# Altium PCB PCB1.PcbDoc
Units mm, origin at the board's own origin, x right, y up, seen from the top; angles counter-clockwise.
Board outline 97 x 67.1 mm, 2 copper layers (Top Layer, Bottom Layer); 8 components, 12 nets, 69 pads, 1 vias.
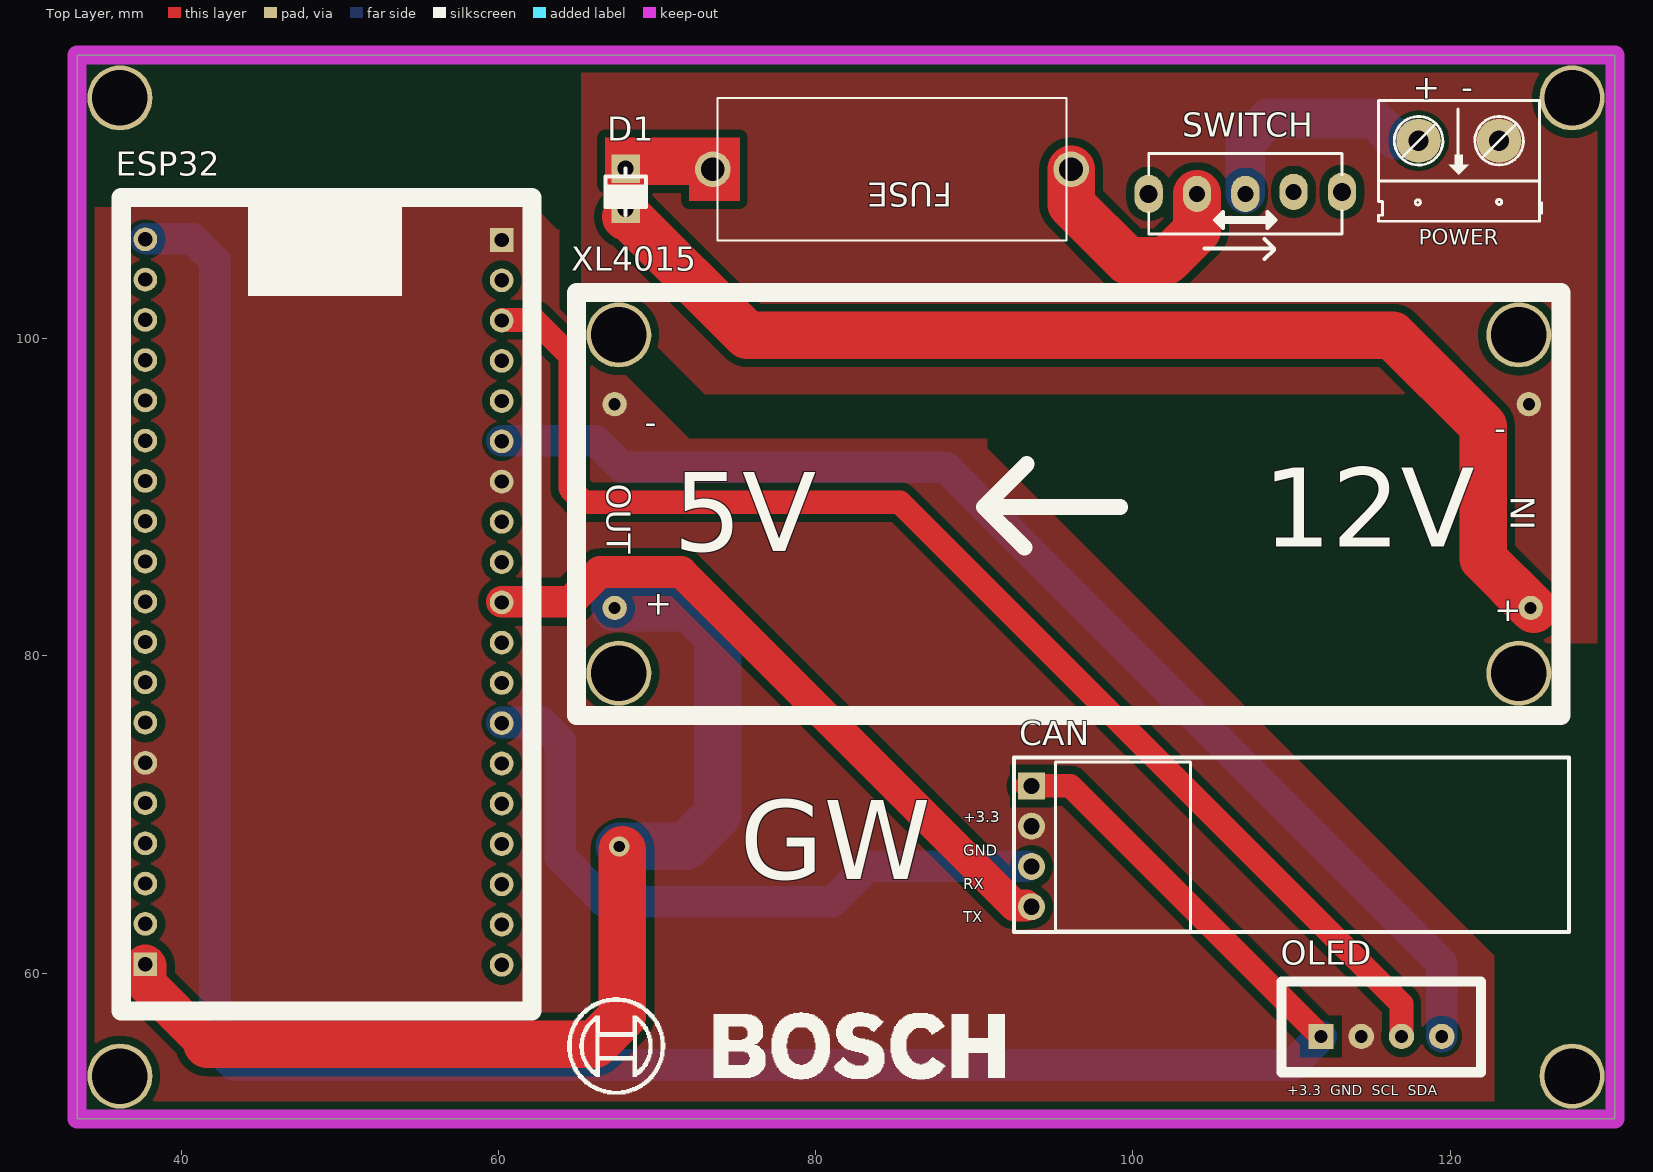
[diagram p0: Top Layer view]
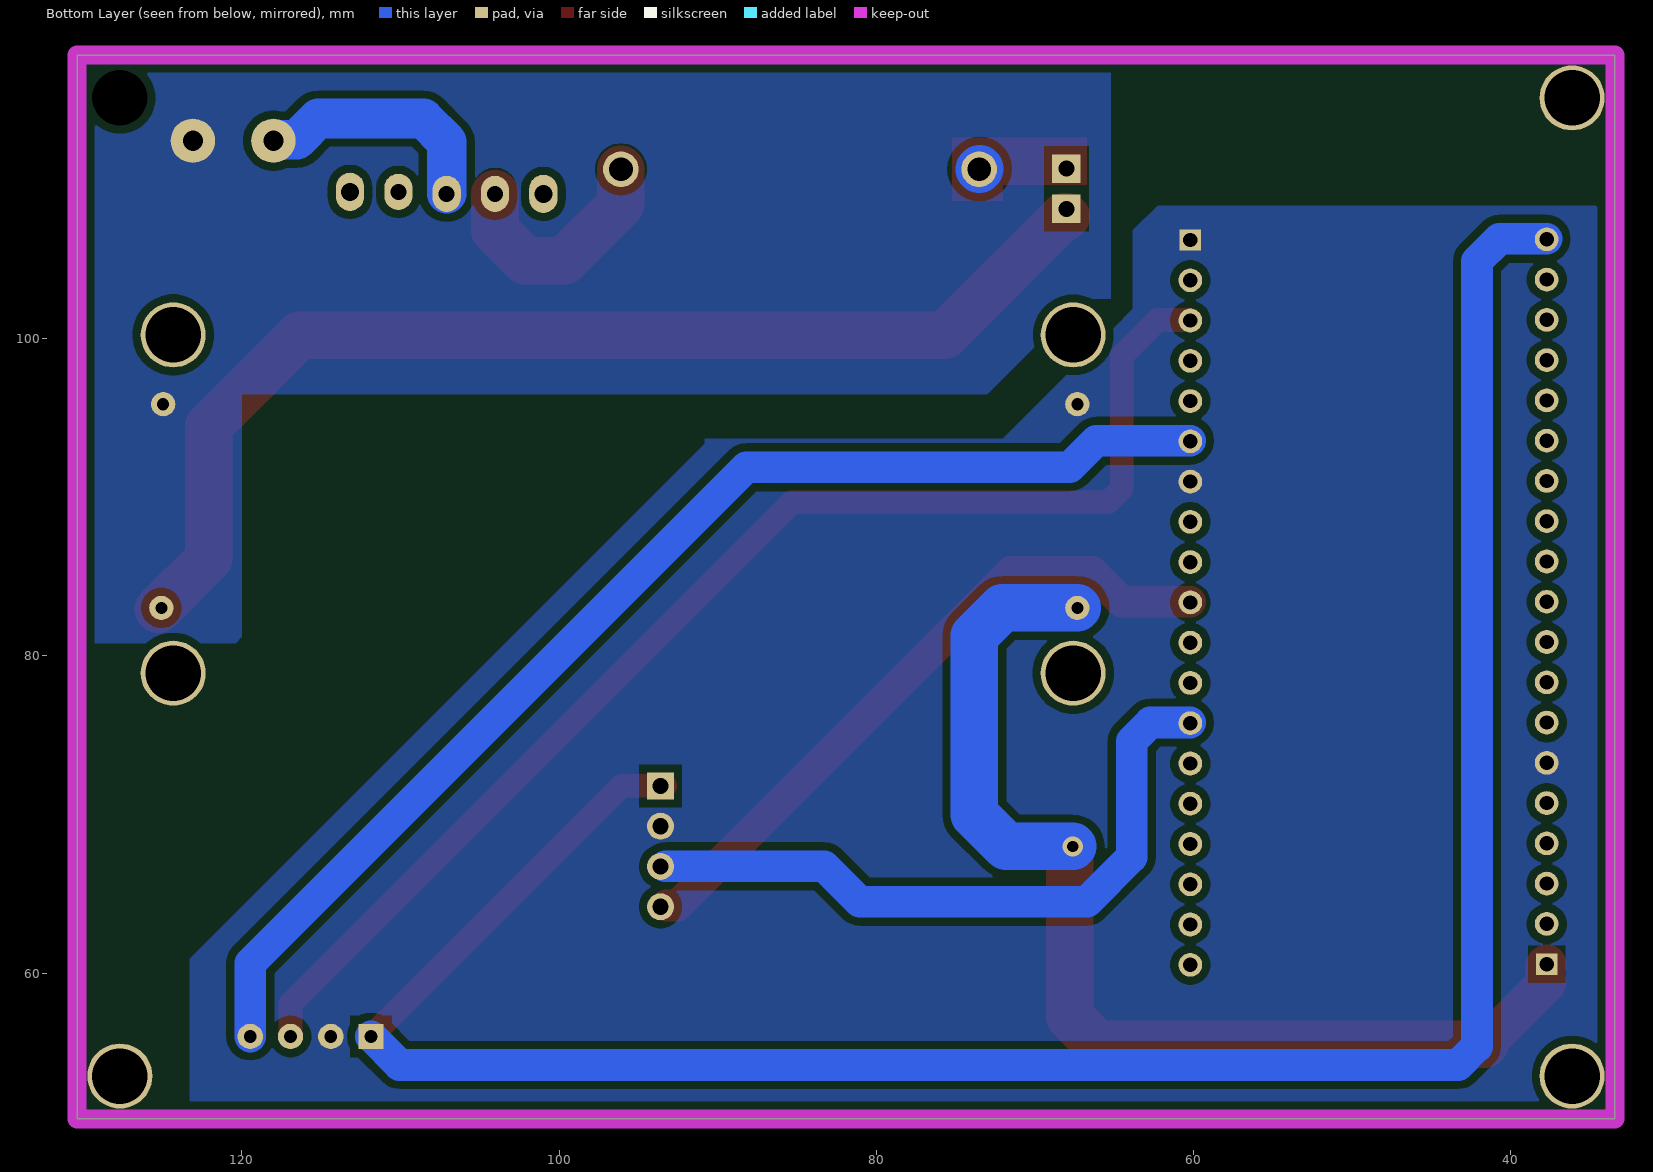
[diagram p1: Bottom Layer view, seen from below]
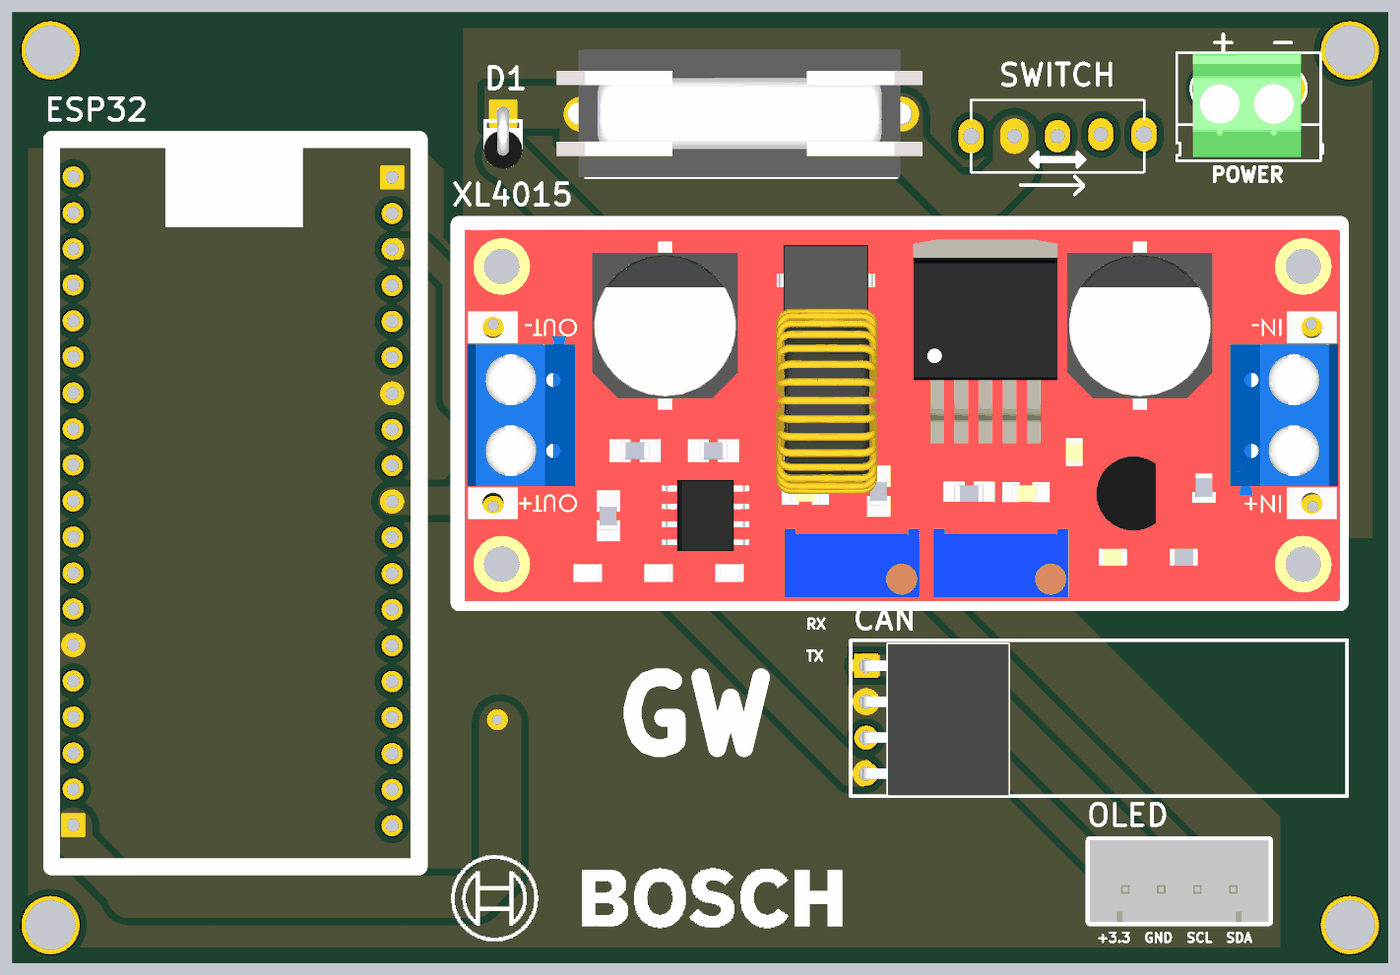
[diagram p2: 3D render of the assembled board from above, using the file's embedded part models]

## Layer stack, top to bottom
Top Solder: solder mask 0.0102, Solder Resist, Dk 3.5
Top Layer: signal copper 0.0356
Dielectric 1: dielectric 0.32, FR-4, Dk 4.8
Bottom Layer: signal copper 0.0356
Bottom Solder: solder mask 0.0102, Solder Resist, Dk 3.5

## Board outline
33.4,50.8 33.4,117.9 130.4,117.9 130.4,50.8

## Design rules (kind name [scope] priority, off if disabled: settings)
Clearance [All] p1: gap=0.5 ignorepadtopadclearanceinfootprint=FALSE
Height [All] p1: minheight=0 maxheight=90 prefheight=12.7
HoleSize [All] p1: absolutevalues=TRUE maxlimit=4 minlimit=0.025 maxpercent=80.000 minpercent=20.000
PolygonConnect [All] p1: connectstyle=Direct reliefconductorwidth=0.254 reliefentries=4 polygonreliefangle="90 Angle" airgapwidth=0.254
RoutingVias [All] p1: holewidth=0.711 width=1.27 viastyle="Through Hole" minholewidth=0.711 minwidth=1.27 maxholewidth=0.711 maxwidth=1.27
SilkToSilkClearance [Ispad vs IsPolygon] p1: silktosilkclearance=0.254
SilkToSolderMaskClearance [IsPolygon] p1: minsilkscreentomaskgap=0.254 clearancetoexposedcopper=TRUE
SolderMaskExpansion [All] p1: expansion=0.102 istentingtop=FALSE
Width [All] p1: maxlimit=5 minlimit=0.254 preferedwidth=1
26 further rules are at their usual default settings.

## Components (designator, comment, footprint, x,y, rotation, side; value= is the part's Value field where it differs from the comment)
CAN "JP 1x4 2.54" "JP 1x4 CC" 93.6,67.99 r270 top
D1 "100v" "DIODE 1A" 68,110.74 r270 top
ESP32 "ESP32_NODEMCU" "ESP32 SMALL" 28.983,62.719 r0 top
FUSE "Fuse Holder 23mm" Fuse3 84.8,110.7 r180 top
OLED "OLED" XH2.54M-4 111.86,56 r0 top
POWER "POWER" "Con 2 KF301 5.08" 123.1,112.5 r180 top
SWITCH "Slide swich vertical" SW102T 107.089,109.211 r0 top
XL4015 "XL4015" XL4015 99.7,85.9 r180 top

## Footprints (in the part's own frame and the unit in brackets; to place one, negate y for a bottom-side part, rotate by r counter-clockwise, add the part's x,y. Pads: shape width x height; smd on the part's side, far side on the other; paste and mask are expansions set on the pad)
"Con 2 KF301 5.08" [mil]
  round 110 hole 50: 1(0,0) 2(200,0)
  silkscreen extent -106,-100 300,200, body extent -45,-97 255,190, height 335
"DIODE 1A" [mm]
  rect 1.8x1.8 hole 1: 1(0,0) 2(2.54,0)
  silkscreen extent 0,-1.27 2.92,1.27, body extent -0.43,-1.37 3.91,1.36, height 10.64
"ESP32 SMALL" [mm]
  rect 1.5x1.5 / inner round 1.35 / far side rect 1.35x1.35 hole 0.9: J4_1(31.2,43.52) J5_1(8.717,-2.159)
  round 1.5 hole 0.9: J4_2(31.2,40.98) J4_3(31.2,38.44) J4_4(31.2,35.9) J4_5(31.2,33.36) J4_6(31.2,30.82) J4_7(31.2,28.28) J4_8(31.2,25.74) J4_9(31.2,23.2) J4_10(31.2,20.66) J4_11(31.2,18.12) J4_12(31.2,15.58) J4_13(31.2,13.04) J4_14(31.2,10.5) J4_15(31.2,7.96) J4_16(31.2,5.42) J4_17(31.2,2.88) J4_18(31.2,0.34) J4_19(31.2,-2.2) J5_2(8.717,0.381) J5_3(8.717,2.921) J5_4(8.717,5.461) J5_5(8.717,8.001) J5_6(8.717,10.541) J5_7(8.717,13.081) J5_8(8.717,15.621) J5_9(8.717,18.161) J5_10(8.717,20.701) J5_11(8.717,23.241) J5_12(8.717,25.781) J5_13(8.717,28.321) J5_14(8.717,30.861) J5_15(8.717,33.401) J5_16(8.717,35.941) J5_17(8.717,38.481) J5_18(8.717,41.021) J5_19(8.717,43.561)
  silkscreen extent 7.2,-5.1 33.1,46.6
Fuse3 [mm] "FUSEHOLDER BLOCKS - PCB - CLIP COVER - THT - WR-FSH"
  round 2.25 hole 1.5: 1(-11.3,0) 2(11.3,0)
  silkscreen extent -11,-4.5 11,4.5, body extent -12.77,-4.56 13.03,4.45, height 4.1
"JP 1x4 CC" [mm]
  rect 1.7x1.7 hole 1.02: 1(-3.81,0)
  round 1.7 hole 1.02: 2(-1.27,0) 3(1.27,0) 4(3.81,0)
  silkscreen extent -5.33,1.52 5.33,10.03, body extent -5.33,-0.25 5.33,10.05, height 2.51
SW102T [mil] "Switch 102 On Board To"
  oval 70x90 hole 40: 1(-120,-2.5) 2(0,-2.5) 3(120,2.5)
  oval 70x95 hole 45: 4(240,2.5) 5(-240,-2.5)
  silkscreen extent -240,-102 240,98
XH2.54M-4 [mm]
  rect 1.6x1.6 hole 0.8: 1(0,0)
  round 1.6 hole 0.8: 2(2.54,0) 3(5.08,0) 4(7.62,0)
  silkscreen extent -2.48,-2.26 10.1,3.46, body extent -2.48,-2.26 10.1,3.48, height 6.91
XL4015 [mm]
  round 4.1 hole 3.5: 9(-24.638,6.985) 9(-24.638,-14.351) 9(32.131,-14.351) 9(32.131,6.985)
  round 1.524 hole 0.762: IN+(-25.39,2.87) IN-(-25.27,-9.98) OUT+(32.39,2.87) OUT-(32.39,-9.98)
  silkscreen extent -27.3,-17.02 34.8,9.65, body extent -27.3,-16.66 34.39,9.54, height 15.57

## Part data
CAN: library part "JP 1x4 2.54 Cai Cong", "Cắm", Chung_Loai=Cắm, Don_Vi=Con, Ma_Hang=MH001265, Ten_Linh_Kien="Jump Đơn Cái 2.54MM 1x40P Cong"
D1: library part "Diode 1N4007", "Cắm", Chung_Loai=Cắm, Don_Vi=Con, Ma_Hang=MH001063, Ten_Linh_Kien="Diode 1N4007 1A (DIP)"
ESP32: "NodeMCU is an open source loT platform. ESP32 is a series of low cost, low powersystem-on-chip (SoC) microcontrollers with integrated Wi-Fi & dual-mode Bluetooth.", Package=Package, Check_prices=https://www.snapeda.com/parts/ESP32%20NODEMCU/Espressif+Systems/view-part/?ref=eda, MF="Espressif Systems", MP="ESP32 NODEMCU", SnapEDA_Link=https://www.snapeda.com/parts/ESP32%20NODEMCU/Espressif+Systems/view-part/?ref=snap
OLED: library part "Header 4P 2.54 Duc Thang", "Cắm", Chung_Loai=Cắm, Don_Vi=Con, Ma_Hang=MH001285, Ten_Linh_Kien="Header 4P XH2.54-4P Đực Thẳng"
POWER: library part "CON 2 KF301", "Cắm", Chung_Loai=Cắm, Don_Vi=Con, Ma_Hang=MH000987, Ten_Linh_Kien="CON 2 KF301-2P 5.08MM Xanh Dương"

## Free pads (board coordinates)
  round 4.1 hole 3.5: 8(36.1,53.5) 8(36.1,115.2) 8(127.7,53.5)
  round 4.1 / inner round 1.524 / far side round 1.524 hole 3.5: 8(127.7,115.2)

## Via types
v1: diameter 1.27, hole 0.711, Top Layer to Bottom Layer, 1 vias

## Nets (pads, with @x,y where several pads share a name; then routed paths per layer and width w, separated by ;. In a path a pad name is that pad's centre, name@x,y a point inside that pad or via, vN(x,y) a via of type N, cw(c..) or ccw(c..) an arc to the next point about the centre after c; other vN are vias at no path point)
12_GND: POWER.1 XL4015.IN-
12V: D1.1 FUSE.2 | length 0.1
  Bottom Layer w3: FUSE.2@73.46,110.74 FUSE.2
"12V VIN": POWER.2 SWITCH.2 | length 15.4
  Bottom Layer w2.5: SWITCH.2 107.089,112.436 108.553,113.9 115.2,113.9 116.544,112.556 117.964,112.556 POWER.2
+3.3: CAN.1 ESP32.J5_19 OLED.1 | length 150.6
  Top Layer w1.5: CAN.1@93.3,71.81 96.05,71.81 OLED.1
  Bottom Layer w2: ESP32.J5_19@37.717,106.321 40.679,106.321 42.1,104.9 42.1,55.372 43.272,54.2 110.06,54.2 OLED.1
+5: ESP32.J5_1 XL4015.OUT+ | length 69.2
  Top Layer w2.5: 37.7,59.4 41.6,55.5 ; ESP32.J5_1 37.8,60.46 ESP32.J5_1@37.8,59.9
  Top Layer w3: 41.6,55.5 66.043,55.5 67.8,57.257 v1@67.8,67.785
  Bottom Layer w3: XL4015.OUT+ 72.043,83.03 73.8,81.273 73.8,70 71.784,67.984 v1(67.601,67.984)
CAN_RX_ESP: CAN.3 ESP32.J4_13 | length 43
  Bottom Layer w2: ESP32.J4_13@60.2,75.8 62.708,75.8 63.879,74.628 63.879,67.321 66.7,64.5 81.035,64.5 83.265,66.73 CAN.3@93.3,66.73
CAN_TX_ESP: CAN.4 ESP32.J4_10 | length 42.5
  Top Layer w2: ESP32.J4_10@60.2,83.42 64.501,83.42 66.373,85.292 71.508,85.292 92.543,64.257 CAN.4@93.233,64.257
GND: CAN.2 ESP32.J4_1 ESP32.J4_7 ESP32.J5_6 OLED.2 XL4015.OUT-
NetD1_2: D1.2 XL4015.IN+ | length 72.9
  Top Layer w2: D1.2@68,107.7 D1.2
  Top Layer w3: D1.2@68,107.7 68.2,107.7 75.679,100.221 116.379,100.221 122.1,94.5 122.1,86.133 XL4015.IN+@125.273,82.96
NetFuse_1: FUSE.1 SWITCH.1 | length 14.7
  Top Layer w3: FUSE.1 96.1,108.5 99.657,104.943 102.143,104.943 104.041,106.841 SWITCH.1
SCL_ESP: ESP32.J4_3 OLED.3 | length 81.6
  Top Layer w1.5: ESP32.J4_3@60.2,101.2 62.26,101.2 64.5,98.96 64.5,90.573 65.379,89.694 85.306,89.694 116.94,58.06 OLED.3
SDA_ESP: ESP32.J4_6 OLED.4 | length 77.6
  Bottom Layer w2: ESP32.J4_6@60.2,93.58 66.115,93.58 67.795,91.9 88.199,91.9 119.48,60.619 OLED.4
pads on no net: ESP32.J4_2 ESP32.J4_4 ESP32.J4_5 ESP32.J4_8 ESP32.J4_9 ESP32.J4_11 ESP32.J4_12 ESP32.J4_14 ESP32.J4_15 ESP32.J4_16 ESP32.J4_17 ESP32.J4_18 ESP32.J4_19 ESP32.J5_2 ESP32.J5_3 ESP32.J5_4 ESP32.J5_5 ESP32.J5_7 ESP32.J5_8 ESP32.J5_9 ESP32.J5_10 ESP32.J5_11 ESP32.J5_12 ESP32.J5_13 ESP32.J5_14 ESP32.J5_15 ESP32.J5_16 ESP32.J5_17 ESP32.J5_18 SWITCH.3 SWITCH.4 SWITCH.5 XL4015.9

## Polygon pours and split planes (outlines as drawn)
GND on Bottom Layer "GND_L02_P004" (solid, remove dead copper, pour order 4): 34.509,108.3 34.609,108.4 62.25,108.4 63.8,106.85 63.8,101.9 72,93.7 90.8,93.7 90.8,93.4 123.3,60.9 123.3,50.5 33.7,50.5 33.3,50.9 33.3,108.3
12_GND on Bottom Layer "NONET_L01_P-001" (solid, remove dead copper, pour order 0): 65.2,117.9 65.202,117.898 65.202,102.518 66.982,102.518 73,96.5 120,96.5 120,81.2 120.4,80.8 130.4,80.8 130.4,117.9
GND on Top Layer "NONET_L01_P-001" (solid, remove dead copper, pour order 3): 61.9,108.3 62.1,108.5 63.7,106.9 63.8,106.9 63.8,101.9 72,93.7 90.8,93.7 90.8,93.1 122.8,61.1 122.8,51.909 34.509,51.909 33.6,51 33.6,108.3
12_GND on Top Layer "NONET_L01_P-001" (solid, remove dead copper, pour order 1): 65.2,117.9 65.202,117.898 65.202,102.518 66.982,102.518 73,96.5 120,96.5 120,81.2 120.4,80.8 130.4,80.8 130.4,117.9

## Keep-outs
Keep-Out Layer:
  the board outline again, w1.2

## Other copper
Top Layer:
  rectangle net 12V: 72,108.7 75.2,112.7
  rectangle net 12V: 66.7,109.7 75.2,112.7

## Silkscreen, mask and mechanical layers (free items; w line width, h text height)
Top Overlay:
  drawing of 20 lines, arcs and shapes, not listed
  text "+  -" at 117.654,115.154 h1.52
  text "12V" at 108.2,86.9 h5
  text "5V" at 71,86.6 h5
  text "- /  /  /  /  / +" at 69.2,82.6 h1.52
  text "- /  /  /  /  / +" at 122.8,82.2 h1.52
  text "GW" at 75.2,65.9 h5
  text "+3.3 /  / GND /  / RX /  / TX" at 89.3,63.2 h0.7
  text "+3.3  GND  SCL  SDA" at 109.74,52.3 h0.65

## Text inside footprints (layer, text, board x,y; h text height)
XL4015: Top Overlay "IN" at 125.354,87.932 h1.52 r90; Top Overlay "OUT" at 66.807,90.853 h1.52 r270